# Altium PCB HV_Module_2W.PCBDOC (part 1 of 3) (continued)
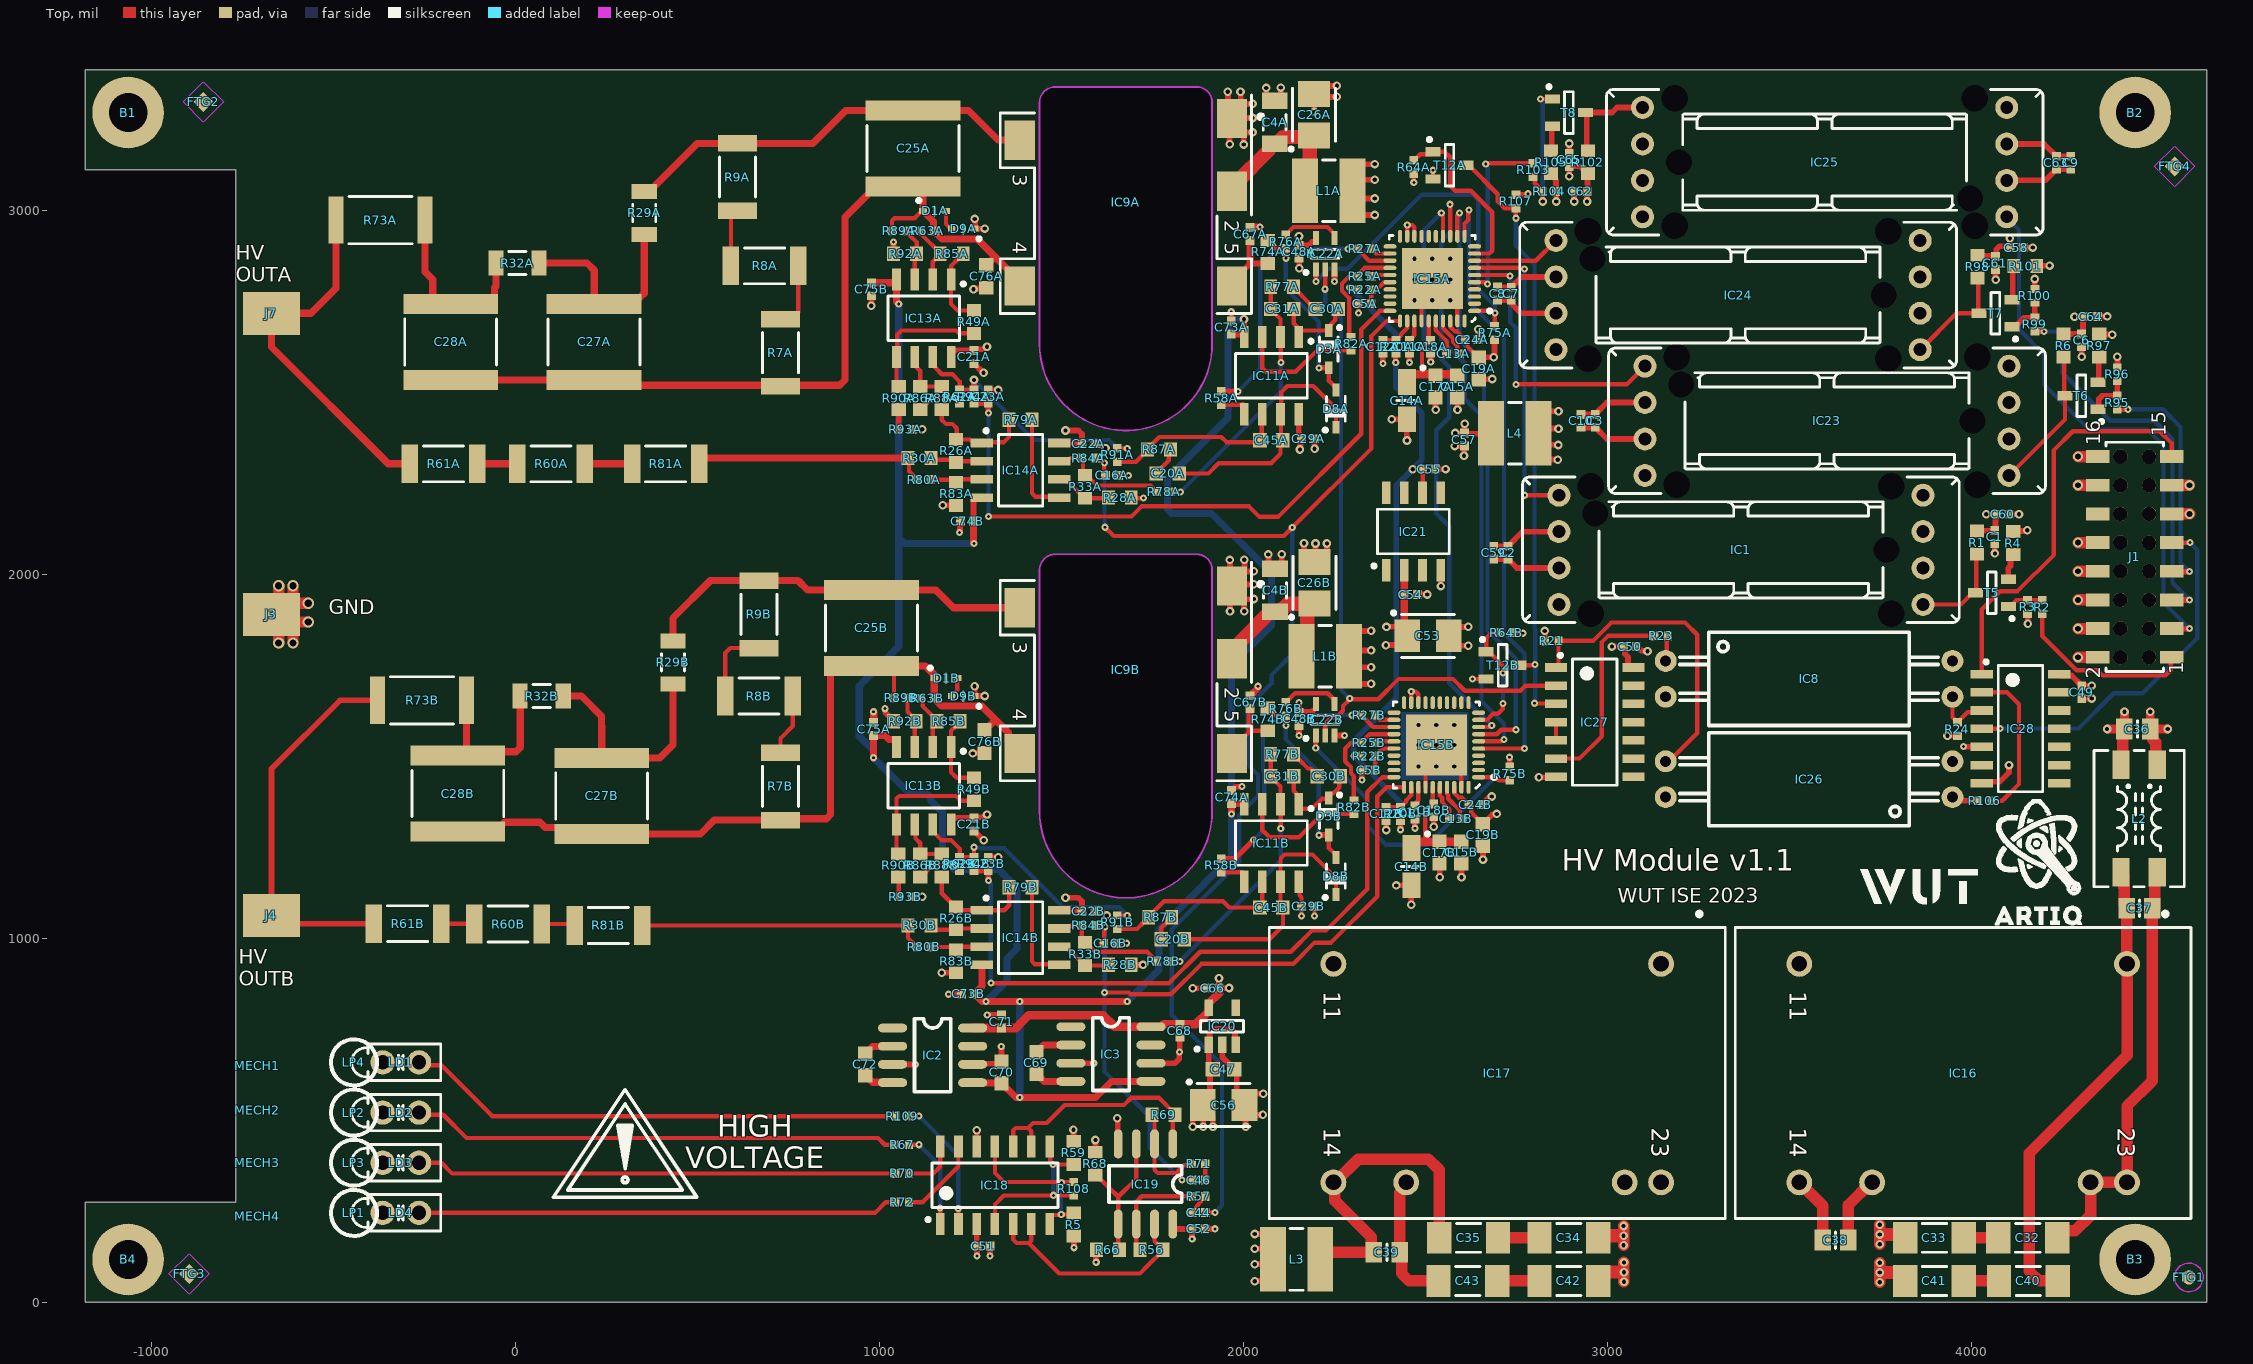
[diagram p0: Top view]
## Design rules (kind name [scope] priority, off if disabled: settings) (continued)
RoomDefinition U_ADC_DAC2 [InComponentClass('U_ADC_DAC2')] p6: confinementstyle=ConfineIn formatcopy=TRUE lockcomponents=FALSE outline 2696.85,1702.76 2303.15,1702.76 2303.15,1192.52 2696.85,1192.52
RoomDefinition U_Supply_5V_ISOL [InComponentClass('U_Supply_5V_ISOL')] p7: confinementstyle=ConfineIn formatcopy=TRUE lockcomponents=FALSE outline 1899.61,-39.37 4635.83,-39.37 4635.83,1190.94 1899.61,1190.94
RoomDefinition U_Isolators [InComponentClass('U_Isolators')] p8: confinementstyle=ConfineIn formatcopy=TRUE lockcomponents=FALSE outline 2677.17,1200.79 4281.5,1200.79 4281.5,3366.14 2677.17,3366.14
RoutingVias [All] p1: holewidth=7.87 width=19.68 viastyle="Through Hole" minholewidth=7.87 minwidth=19.68 maxholewidth=28 maxwidth=50
SilkToSilkClearance [All] p1: silktosilkclearance=0
SilkToSolderMaskClearance SilkscreenOverComponentPads [IsPad] p1: minsilkscreentomaskgap=0 clearancetoexposedcopper=TRUE
SolderMaskExpansion [All] p1: expansion=2 istentingtop=FALSE
Width Z50R [InNetClass('SPI')] p1: maxlimit=11.81 minlimit=11.81 preferedwidth=11.81
Width [All] p2: maxlimit=50 minlimit=5 preferedwidth=5
18 further rules are at their usual default settings.

## Classes and differential pairs
net class HV: HV_OUTA HV_OUTB NetC25A_2 NetC25B_2 NetC27A_2 NetC27B_2 NetC28A_2 NetC28B_2 NetR60A_2 NetR60B_2
component class U_LED_indicators: C44 C46 C51 C52 IC18 IC19 LD1 LD2 LD3 LD4 LP1 LP2 LP3 LP4 R5 R56 R57 R59 R66 R67 R68 R69 R70 R71 R72 R108 R109
channel class HV_PWR_STAGE: U_HV_PWR_STAGE1 U_HV_PWR_STAGE2
channel class ADC_DAC: U_ADC_DAC1 U_ADC_DAC2
component class U_HV_PWR_STAGE1: C4A C16A C20A C21A C22A C23A C25A C26A C27A C28A C29A C30A C31A C45A C48A C67A C73A C74A C75A C76A D1A D3A D8A D9A IC9A IC11A IC13A IC14A IC22A L1A R7A R8A R9A R26A R28A R29A R30A R32A R33A R49A R58A R60A R61A R62A R63A R73A R74A R75A R76A R77A R78A R79A R80A R81A R82A R83A R84A R85A R86A R87A R88A R89A R90A R91A R92A R93A R94A
component class U_ADC_DAC2: C5B C11B C12B C13B C14B C15B C17B C18B C19B C24B IC15B R20B R22B R25B R27B R64B T12B
component class U_ADC_DAC1: C5A C11A C12A C13A C14A C15A C17A C18A C19A C24A IC15A R20A R22A R25A R27A R64A T12A
component class U_Supply_5V_ISOL: C32 C33 C34 C35 C36 C37 C38 C39 C40 C41 C42 C43 C47 C56 C57 C66 C68 C69 C70 C71 C72 IC2 IC3 IC16 IC17 IC20 L2 L3 L4
component class U_Isolators: C1 C2 C3 C6 C7 C8 C9 C10 C49 C50 C58 C59 C60 C61 C62 C63 C64 C65 IC1 IC8 IC23 IC24 IC25 IC26 IC27 IC28 R1 R2 R3 R4 R6 R21 R23 R24 R95 R96 R97 R98 R99 R100 R101 R102 R103 R104 R105 R106 R107 T5 T6 T7 T8
component class U_HV_PWR_STAGE2: C4B C16B C20B C21B C22B C23B C25B C26B C27B C28B C29B C30B C31B C45B C48B C67B C73B C74B C75B C76B D1B D3B D8B D9B IC9B IC11B IC13B IC14B IC22B L1B R7B R8B R9B R26B R28B R29B R30B R32B R33B R49B R58B R60B R61B R62B R63B R73B R74B R75B R76B R77B R78B R79B R80B R81B R82B R83B R84B R85B R86B R87B R88B R89B R90B R91B R92B R93B R94B
component class HV_Module_2W: B1 B2 B3 B4 C53 C54 C55 FTG1 FTG2 FTG3 FTG4 IC21 J1 J3 J4 J7 MECH1 MECH2 MECH3 MECH4

## Components (designator, comment, footprint, x,y, rotation, side; value= is the part's Value field where it differs from the comment)
B1 "Plated Hole" MTG270_500 -1062.99,3267.72 r0 top
B2 "Plated Hole" MTG270_500 4448.82,3267.72 r0 top
B3 "Plated Hole" MTG270_500 4448.82,118.11 r0 top
B4 "Plated Hole" MTG270_500 -1062.99,118.11 r0 top
C1 "1uF" CAPC1005X55N 4062.99,2102.36 r90 top
C2 "1uF" CAPC1005X55N 2726.38,2059.06 r90 top
C3 "1uF" CAPC1005X55N 2966.14,2421.26 r90 top
C4A "22uF" CAPC3216X180N 2085.63,3241.17 r270 top (schematic designator C4)
C4B "22uF" CAPC3216X180N 2086.61,1955.74 r270 top (schematic designator C4)
C5A "1uF" CAPC1005X55N 2332.68,2742.75 r0 top (schematic designator C5)
C5B "1uF" CAPC1005X55N 2343.7,1462.2 r0 top (schematic designator C5)
C6 "1uF" CAPC1005X55N 4301.37,2642.29 r90 top
C7 "1uF" CAPC1005X55N 2735.24,2770.31 r90 top
C8 "100nF" CAPC1005X55N 2698.07,2770.67 r270 top
C9 "100nF" CAPC1005X55N 4271.65,3129.92 r90 top
C10 "100nF" CAPC1005X55N 2927.2,2421.26 r270 top
C11A "10nF" CAPC1005X55N 2455.51,2624.64 r90 top (schematic designator C11)
C11B "10nF" CAPC1005X55N 2470.47,1345.67 r90 top (schematic designator C11)
C12A "1uF" CAPC1005X55N 2382.68,2624.64 r90 top (schematic designator C12)
C12B "1uF" CAPC1005X55N 2391.73,1341.73 r90 top (schematic designator C12)
C13A "1uF" CAPC1005X55N 2575.59,2604.96 r0 top (schematic designator C13)
C13B "1uF" CAPC1005X55N 2583.32,1328.34 r0 top (schematic designator C13)
C14A "10uF" CAPMP3216X180N 2448.62,2476.93 r270 top (schematic designator C14)
C14B "10uF" CAPMP3216X180N 2460.84,1197.19 r270 top (schematic designator C14)
C15A "10uF" CAPC1608X80N 2587.4,2515.39 r90 top (schematic designator C15)
C15B "10uF" CAPC1608X80N 2598.43,1235.83 r90 top (schematic designator C15)
C16A "10nF" CAPC1005X55N 1638.72,2271.3 r180 top (schematic designator C16)
C16B "10nF" CAPC1005X55N 1633.86,986.22 r180 top (schematic designator C16)
C17A "10uF" CAPC1608X80N 2527.36,2515.39 r90 top (schematic designator C17)
C17B "10uF" CAPC1608X80N 2538.08,1235.52 r90 top (schematic designator C17)
C18A "100nF" CAPC1005X55N 2513.58,2624.64 r90 top (schematic designator C18)
C18B "100nF" CAPC1005X55N 2522.39,1351.57 r90 top (schematic designator C18)
C19A "10uF" CAPC1608X80N 2646.46,2564.58 r90 top (schematic designator C19)
C19B "10uF" CAPC1608X80N 2657.48,1284.03 r90 top (schematic designator C19)
C20A "220nF" CAPC1608X87N 1791.7,2276.57 r180 top (schematic designator C20)
C20B "220nF" CAPC1608X87N 1805.83,997.43 r180 top (schematic designator C20)
C21A "100nF" CAPC1005X55N 1259.84,2596.49 r90 top (schematic designator C21)
C21B "100nF" CAPC1005X55N 1259.84,1313.03 r90 top (schematic designator C21)
C22A "100nF" CAPC1005X55N 1574.22,2358.27 r180 top (schematic designator C22)
C22B "100nF" CAPC1005X55N 1574.22,1074.8 r180 top (schematic designator C22)
C23A "10nF" CAPC1005X55N 1299.21,2487.76 r270 top (schematic designator C23)
C23B "10nF" CAPC1005X55N 1299.21,1204.3 r270 top (schematic designator C23)
C24A "100nF" CAPC1005X55N 2626.77,2644.33 r180 top (schematic designator C24)
C24B "100nF" CAPC1005X55N 2636.8,1367.42 r180 top (schematic designator C24)
C25A "33nF" CAPC5764X279N 1092.52,3169.29 r90 top locked (schematic designator C25)
C25B "33nF" CAPC5764X279N 978.35,1852.36 r90 top locked (schematic designator C25)
C26A "22uF" CAPMP3528X210N 2193.9,3261.81 r90 top locked (schematic designator C26)
C26B "22uF" CAPMP3528X210N 2194.88,1976.38 r90 top (schematic designator C26)
C27A "33nF" CAPC5764X279N 216.54,2637.8 r90 top (schematic designator C27)
C27B "33nF" CAPC5764X279N 237.3,1390.99 r90 top (schematic designator C27)
C28A "33nF" CAPC5764X279N -177.17,2637.8 r90 top (schematic designator C28)
C28B "33nF" CAPC5764X279N -157.48,1397.64 r90 top (schematic designator C28)
C29A "100nF" CAPC1005X55N 2177.17,2372.05 r180 top (schematic designator C29)
C29B "100nF" CAPC1005X55N 2177.17,1087.6 r180 top (schematic designator C29)
C30A "220nF" CAPC1608X87N 2229.1,2728.35 r180 top (schematic designator C30)
C30B "220nF" CAPC1608X87N 2234.25,1444.88 r180 top (schematic designator C30)
C31A "10nF" CAPC1608X87N 2106.3,2728.35 r180 top (schematic designator C31)
C31B "10nF" CAPC1608X87N 2106.3,1444.88 r180 top (schematic designator C31)
C32 "330pF" CAPC4620X220N 4153.54,177.17 r180 top locked
C33 "330pF" CAPC4620X220N 3897.64,177.17 r180 top locked
C34 "330pF" CAPC4620X220N 2893.7,177.17 r180 top locked
C35 "330pF" CAPC4620X220N 2618.11,177.17 r180 top locked
C36 "4.7uF" CAPC2012X145N 4454.72,1574.8 r0 top
C37 "4.7uF" CAPC2012X145N 4460.63,1082.68 r0 top
C38 "4.7uF" CAPC2012X145N 3625.98,171.26 r180 top
C39 "4.7uF" CAPC2012X145N 2393.7,137.8 r180 top
C40 "330pF" CAPC4620X220N 4155.51,59.05 r180 top locked
C41 "330pF" CAPC4620X220N 3897.64,59.05 r180 top locked
C42 "330pF" CAPC4620X220N 2893.7,59.06 r180 top locked
C43 "330pF" CAPC4620X220N 2616.14,59.06 r180 top locked
C44 "1uF" CAPC1005X55N 1876.5,246.75 r0 top
C45A "10nF" CAPC1608X87N 2076.77,2368.11 r180 top (schematic designator C45)
C45B "10nF" CAPC1608X87N 2076.77,1084.65 r180 top (schematic designator C45)
C46 "1uF" CAPC1005X55N 1876.5,336.32 r180 top
C47 "10uF" CAPC1608X80N 1944.88,640.75 r180 top
C48A "100nF" CAPC1005X55N 2152.78,2885.53 r90 top (schematic designator C48)
C48B "100nF" CAPC1005X55N 2152.56,1602.36 r90 top (schematic designator C48)
C49 "1uF" CAPC1005X55N 4301.97,1675.79 r270 top
C50 "1uF" CAPC1005X55N 3061.02,1801.18 r0 top
C51 "1uF" CAPC1005X55N 1285.95,154.72 r180 top
C52 "1uF" CAPC1005X55N 1876.5,201.97 r180 top
C53 "22uF" CAPMP3528X210N 2506.69,1830.71 r0 top
C54 "100nF" CAPC1005X55N 2459.34,1943.96 r180 top
C55 "100nF" CAPC1005X55N 2509.92,2288.45 r180 top
C56 "22uF" CAPMP3528X210N 1945.4,542.32 r0 top
C57 "1uF" CAPC1005X55N 2606.91,2369.53 r90 top
C58 "100nF" CAPC1005X55N 4122.59,2896.7 r180 top
C59 "100nF" CAPC1005X55N 2687.18,2059.06 r270 top
C60 "100nF" CAPC1005X55N 4084.65,2164.66 r180 top
C61 "1uF" CAPC1005X55N 4064.96,2854.33 r90 top
C62 "1uF" CAPC1005X55N 2925.2,3051.18 r0 top
C63 "1uF" CAPC1005X55N 4232.28,3129.92 r270 top
C64 "100nF" CAPC1005X55N 4327.02,2707.64 r180 top
C65 "100nF" CAPC1005X55N 2894.68,3137.8 r270 top
C66 "1uF" CAPC1005X55N 1915.35,863.26 r0 top
C67A "100nF" CAPC1005X55N 2018.31,2934.05 r270 top (schematic designator C67)
C67B "100nF" CAPC1005X55N 2018.31,1648.43 r270 top (schematic designator C67)
C68 "1uF" CAPC1005X55N 1825.17,746.49 r270 top
C69 "10uF" CAPC1608X80N 1431.47,657.91 r90 top
C70 "10uF" CAPC1608X80N 1335.63,631.79 r270 top
C71 "1uF" CAPC1005X55N 1335.63,771.54 r90 top
C72 "10uF" CAPC1608X80N 961.61,653.82 r90 top
C73A "100nF" CAPC1005X55N 1966.29,2677.71 r270 top (schematic designator C73)
C73B "100nF" CAPC1005X55N 1243.8,847.6 r0 top (schematic designator C73)
C74A "100nF" CAPC1005X55N 1967.38,1387.98 r270 top (schematic designator C74)
C74B "100nF" CAPC1005X55N 1240.9,2145.67 r0 top (schematic designator C74)
C75A "100nF" CAPC1005X55N 984.25,1574.8 r270 top (schematic designator C75)
C75B "100nF" CAPC1005X55N 978.35,2782.48 r90 top (schematic designator C75)
C76A "1uF" CAPC1608X87N 1293.31,2817.75 r90 top (schematic designator C76)
C76B "1uF" CAPC1608X87N 1288.82,1540.55 r90 top (schematic designator C76)
D1A "VESD01C1-02VHG3" SODFL1608X70N 1151.57,2998.03 r0 top (schematic designator D1)
D1B "VESD01C1-02VHG3" SODFL1608X70N 1183.07,1714.57 r0 top (schematic designator D1)
D3A "BAT165" SOD2512X110N 2234.25,2618.17 r270 top (schematic designator D3)
D3B "BAT165" SOD2512X110N 2234.25,1334.71 r270 top (schematic designator D3)
D8A "BAT165" SOD2512X110N 2253.94,2454.62 r90 top (schematic designator D8)
D8B "BAT165" SOD2512X110N 2253.94,1171.15 r90 top (schematic designator D8)
D9A "VESD01C1-02VHG3" SODFL1608X70N 1230.31,2948.82 r180 top (schematic designator D9)
D9B "VESD01C1-02VHG3" SODFL1608X70N 1230.32,1665.35 r180 top (schematic designator D9)
FTG1 "Use only in PCB" FIDUCIAL_TOP_C100-200 4596.46,68.9 r180 top
FTG2 "Use only in PCB" FIDUCIAL_TOP_S100-200 -856.3,3297.24 r180 top
FTG3 "Use only in PCB" FIDUCIAL_TOP_S100-200 -895.67,78.74 r180 top
FTG4 "Use only in PCB" FIDUCIAL_TOP_S100-200 4557.09,3120.08 r180 top
IC1 "AFBR-390525RZ" BROADCOM_AFBR-390525RZ 3366.14,2066.93 r180 top locked
IC2 "TC7660SEOA" SO-8 1036.4,753.82 r0 top
IC3 "TC7660SEOA" SO-8 1525.94,757.12 r0 top
IC8 "OPI1264C" OPI1264C 3553.15,1712.6 r180 top locked
IC9A "AG20P-5" DCDC_XPPOWER_AG0-2KV 1677.07,2866.34 r270 top locked (schematic designator IC9)
IC9B "AG20P-5" DCDC_XPPOWER_AG0-2KV 1677.07,1582.87 r270 top locked (schematic designator IC9)
IC11A "ADA4510-2ARZ" SOIC127P600X175-8N 2076.77,2545.28 r270 top (schematic designator IC11)
IC11B "ADA4510-2ARZ" SOIC127P600X175-8N 2076.77,1261.81 r270 top (schematic designator IC11)
IC13A "ADA4510-2ARZ" SOIC127P600X175-8N 1122.05,2702.76 r270 top (schematic designator IC13)
IC13B "ADA4510-2ARZ" SOIC127P600X175-8N 1122.05,1419.29 r270 top (schematic designator IC13)
IC14A "ADA4510-2ARZ" SOIC127P600X175-8N 1387.8,2285.43 r0 top (schematic designator IC14)
IC14B "ADA4510-2ARZ" SOIC127P600X175-8N 1387.8,1001.97 r0 top (schematic designator IC14)
IC15A "MAX1329BETL+" QFN50P600X600X80-41N-S425 2518.5,2811.65 r180 top (schematic designator IC15)
IC15B "MAX1329BETL+" QFN50P600X600X80-41N-S425 2529.53,1531.1 r180 top (schematic designator IC15)
IC16 "REM5E-1205S/R10/A" DCDC_RECOM_REM5E-XXXXS 3976.38,629.92 r180 top locked
IC17 "REM5E-0505S/R10/A" DCDC_RECOM_REM5E-XXXXS 2696.85,629.92 r180 top locked
IC18 "LP339M/NOPB" SOIC127P600X175-14N 1317.45,322.05 r90 top
IC19 "LMV358IDT" SO-8 1805.83,435.35 r270 top
IC20 "NCP703SN33T1G" SOT95P275X110-5N 1941.48,758.86 r90 top
IC21 "ADR431ARZ" SOIC127P600X175-8N 2466.63,2117.17 r90 top
IC22A "74HCT1G125GW" SOT65P210X110-5N 2224.41,2879.92 r90 top (schematic designator IC22)
IC22B "74HCT1G125GW" SOT65P210X110-5N 2224.41,1600.39 r90 top (schematic designator IC22)
IC23 "AFBR-390525RZ" BROADCOM_AFBR-390525RZ 3602.36,2421.26 r180 top locked
IC24 "AFBR-390525RZ" BROADCOM_AFBR-390525RZ 3358.27,2766.54 r180 top locked
IC25 "AFBR-390525RZ" BROADCOM_AFBR-390525RZ 3596.06,3131.5 r0 top locked
IC26 "OPI1264C" OPI1264C 3553.15,1437.01 r0 top locked
IC27 "SN74LVC14AD" SOIC127P600X175-14N 2964.57,1593.7 r0 top
IC28 "SN74LVC14AD" SOIC127P600X175-14N 4133.86,1575.79 r0 top
J1 "2.00 mm_SMT_Vertical_16 pin" 62131621821 4447.41,2047.41 r90 top locked
J3 "SMD Pad" R400X300 -669.29,1889.76 r0 top
J4 "SMD Pad" R400X300 -669.29,1062.99 r0 top
J7 "SMD Pad" R400X300 -669.29,2716.54 r0 top
L1A "10uH" IND_BOURNS_PM43 2234.25,3053.15 r180 top locked (schematic designator L1)
L1B "10uH" IND_BOURNS_PM43 2224.41,1774.61 r180 top (schematic designator L1)
L2 "2x250uH" IND_WURTH_WE-SL2 4459.45,1328.74 r270 top locked
L3 "10uH" IND_BOURNS_PM43 2145.67,118.11 r180 top locked
L4 "10uH" IND_BOURNS_PM43 2745.02,2386.82 r180 top
LD1 "Green" LED_DIALIGHT_555-230 -364.17,659.45 r0 top locked
LD2 "Red" LED_DIALIGHT_555-200 -364.17,521.65 r0 top locked
LD3 "Green" LED_DIALIGHT_555-230 -364.17,383.86 r0 top locked
LD4 "Red" LED_DIALIGHT_555-200 -364.17,246.06 r0 top locked
LP1 "" LEDLP_BIVAR_PLP2-1200 -442.91,246.06 r90 top locked
LP2 "" LEDLP_BIVAR_PLP2-1200 -442.91,521.65 r90 top locked
LP3 "" LEDLP_BIVAR_PLP2-1200 -442.91,383.86 r90 top locked
LP4 "" LEDLP_BIVAR_PLP2-1200 -442.91,659.45 r90 top locked
MECH1 "PLP2-1200" GENERIC_MECH -708.66,649.61 r90 top
MECH2 "PLP2-1200" GENERIC_MECH -708.66,528.54 r90 top
MECH3 "PLP2-1200" GENERIC_MECH -708.66,383.86 r90 top
MECH4 "PLP2-1200" GENERIC_MECH -708.66,236.22 r90 top
R1 "390" RESC1608X55N 4014.57,2086.78 r90 top
R2 "47" RESC1005X40N 4193.39,1909.9 r270 top
R3 "1k" RESC1005X40N 4153.54,1910.24 r90 top
R4 "150" RESC1608X55N 4114.17,2085.43 r270 top
R5 "100k" RESC1608X55N 1533.98,213.78 r270 top
R6 "390" RESC1608X55N 4251.97,2627.95 r90 top
R7A "2M" RESC5025X65N 728.35,2608.27 r90 top (schematic designator R7)
R7B "2M" RESC5025X65N 728.35,1417.32 r90 top (schematic designator R7)
R8A "2M" RESC5025X65N 685.12,2846.76 r180 top (schematic designator R8)
R8B "2M" RESC5025X65N 669.29,1665.35 r180 top (schematic designator R8)
R9A "2M" RESC5025X65N 610.24,3090.55 r90 top (schematic designator R9)
R9B "2M" RESC5025X65N 669.29,1889.76 r90 top (schematic designator R9)
R20A "0" RESC1005X40N 2419.09,2624.64 r270 top (schematic designator R20)
R20B "0" RESC1005X40N 2431.1,1341.73 r270 top (schematic designator R20)
R21 "330" RESC1005X40N 2846.46,1816.93 r0 top
R22A "0" RESC1005X40N 2332.68,2781.14 r180 top (schematic designator R22)
R22B "0" RESC1005X40N 2343.7,1500.59 r180 top (schematic designator R22)
R23 "330" RESC1005X40N 3146.85,1830.71 r180 top
R24 "330" RESC1005X40N 3960.63,1574.8 r90 top
R25A "0" RESC1005X40N 2332.68,2817.56 r180 top (schematic designator R25)
R25B "0" RESC1005X40N 2343.7,1537.01 r180 top (schematic designator R25)
R26A "10k" RESC1608X55N 1210.63,2338.58 r270 top (schematic designator R26)
R26B "10k" RESC1608X55N 1210.63,1055.12 r270 top (schematic designator R26)
R27A "0" RESC1005X40N 2332.68,2893.7 r180 top (schematic designator R27)
R27B "0" RESC1005X40N 2343.7,1613.15 r180 top (schematic designator R27)
R28A "7k5" RESC1608X55N 1660.3,2210.63 r0 top (schematic designator R28)
R28B "7k5" RESC1608X55N 1660.3,927.17 r0 top (schematic designator R28)
R29A "100k" RESC3216X50N 354.33,2992.13 r270 top (schematic designator R29)
R29B "100k" RESC3216X50N 433.07,1757.87 r270 top (schematic designator R29)
R30A "10k" RESC1608X55N 1110.24,2318.9 r180 top (schematic designator R30)
R30B "10k" RESC1608X55N 1110.24,1035.43 r180 top (schematic designator R30)
R32A "100k" RESC3216X50N 5.91,2854.33 r180 top (schematic designator R32)
R32B "100k" RESC3216X50N 72.83,1665.35 r180 top (schematic designator R32)
R33A "30k" RESC1608X55N 1564.96,2240.16 r270 top (schematic designator R33)
R33B "30k" RESC1608X55N 1564.96,956.69 r270 top (schematic designator R33)
R49A "10k" RESC1608X55N 1259.84,2692.91 r90 top (schematic designator R49)
R49B "10k" RESC1608X55N 1259.84,1409.45 r90 top (schematic designator R49)
R56 "100k" RESC1608X55N 1747.56,144.88 r180 top
R57 "1k" RESC1005X40N 1876.5,291.54 r0 top
R58A "1k" RESC1005X40N 1938.98,2483.82 r90 top (schematic designator R58)
R58B "1k" RESC1005X40N 1938.98,1200.36 r90 top (schematic designator R58)
R59 "100k" RESC1608X55N 1533.98,410.63 r270 top
R60A "10M" RESC5025X65N 98.43,2303.15 r180 top (schematic designator R60)
R60B "10M" RESC5025X65N -19.69,1039.37 r180 top (schematic designator R60)
R61A "10M" RESC5025X65N -196.85,2303.15 r180 top (schematic designator R61)
R61B "10M" RESC5025X65N -295.28,1040.35 r180 top (schematic designator R61)
R62A "10k" RESC1005X40N 1220.47,2487.76 r270 top (schematic designator R62)
R62B "10k" RESC1005X40N 1220.47,1204.3 r270 top (schematic designator R62)
R63A "1k" RESC1005X40N 1131.89,2942.91 r0 top (schematic designator R63)
R63B "1k" RESC1005X40N 1131.89,1659.45 r0 top (schematic designator R63)
R64A "10k" RESC1005X40N 2467.72,3118.05 r90 top (schematic designator R64)
R64B "10k" RESC1005X40N 2721.16,1839.57 r180 top (schematic designator R64)
R66 "100k" RESC1608X55N 1627.49,144.88 r180 top
R67 "1k" RESC1005X40N 1062.99,433.07 r0 top
R68 "100k" RESC1608X55N 1593.04,381.1 r270 top
R69 "100k" RESC1608X55N 1780.73,515.74 r180 top
R70 "1k" RESC1005X40N 1062.99,354.33 r0 top
R71 "1k" RESC1005X40N 1876.5,381.1 r0 top
R72 "1k" RESC1005X40N 1062.99,275.59 r0 top
R73A "100" RESC6331X70N -370.08,2972.44 r180 top (schematic designator R73)
R73B "100" RESC6331X70N -255.91,1653.54 r180 top (schematic designator R73)
R74A "1k" RESC1608X55N 2066.93,2885.04 r270 top (schematic designator R74)
R74B "1k" RESC1608X55N 2066.93,1601.57 r270 top (schematic designator R74)
R75A "10k" RESC1005X40N 2689.61,2662.65 r270 top (schematic designator R75)
R75B "10k" RESC1005X40N 2731.16,1452.48 r90 top (schematic designator R75)
R76A "1k" RESC1005X40N 2116.14,2913.39 r270 top (schematic designator R76)
R76B "1k" RESC1005X40N 2116.14,1629.92 r270 top (schematic designator R76)
R77A "100k" RESC1608X55N 2106.3,2788.94 r180 top (schematic designator R77)
R77B "100k" RESC1608X55N 2106.3,1505.48 r180 top (schematic designator R77)
R78A "1k" RESC1005X40N 1780.56,2226.27 r180 top (schematic designator R78)
R78B "1k" RESC1005X40N 1779.72,936.56 r180 top (schematic designator R78)
R79A "6k2" RESC1608X55N 1387.8,2423.88 r180 top (schematic designator R79)
R79B "6k2" RESC1608X55N 1387.8,1140.42 r180 top (schematic designator R79)
R80A "0" RESC1005X40N 1122.05,2259.84 r180 top (schematic designator R80)
R80B "0" RESC1005X40N 1122.05,976.38 r180 top (schematic designator R80)
R81A "10M" RESC5025X65N 413.39,2303.15 r180 top (schematic designator R81)
R81B "10M" RESC5025X65N 255.91,1035.43 r180 top (schematic designator R81)
R82A "1k" RESC1005X40N 2295.51,2633.01 r90 top (schematic designator R82)
R82B "1k" RESC1005X40N 2303.15,1359.84 r90 top (schematic designator R82)
R83A "10k" RESC1608X55N 1210.63,2220.47 r90 top (schematic designator R83)
R83B "10k" RESC1608X55N 1210.63,937.01 r90 top (schematic designator R83)
R84A "1k" RESC1005X40N 1574.22,2318.9 r180 top (schematic designator R84)
R84B "1k" RESC1005X40N 1574.22,1035.43 r180 top (schematic designator R84)
R85A "10k" RESC1608X55N 1198.82,2879.92 r180 top (schematic designator R85)
R85B "10k" RESC1608X55N 1189.96,1596.46 r180 top (schematic designator R85)
R86A "240k" RESC1608X55N 1112.2,2483.82 r90 top (schematic designator R86)
R86B "240k" RESC1608X55N 1112.2,1200.36 r90 top (schematic designator R86)
R87A "100k" RESC1608X55N 1767.74,2342.52 r180 top (schematic designator R87)
R87B "100k" RESC1608X55N 1771.38,1057.82 r180 top (schematic designator R87)
R88A "10k" RESC1608X55N 1171.26,2483.82 r270 top (schematic designator R88)
R88B "10k" RESC1608X55N 1171.26,1200.36 r270 top (schematic designator R88)
R89A "1k" RESC1005X40N 1053.15,2942.91 r180 top (schematic designator R89)
R89B "1k" RESC1005X40N 1058.98,1660.35 r180 top (schematic designator R89)
R90A "240k" RESC1608X55N 1053.15,2483.82 r90 top (schematic designator R90)
R90B "240k" RESC1608X55N 1052.17,1200.36 r90 top (schematic designator R90)
R91A "1k" RESC1005X40N 1653.41,2327.56 r90 top (schematic designator R91)
R91B "1k" RESC1005X40N 1653.41,1044.09 r90 top (schematic designator R91)
R92A "10k" RESC1608X55N 1070.87,2879.92 r0 top (schematic designator R92)
R92B "10k" RESC1608X55N 1069.88,1596.46 r0 top (schematic designator R92)
R93A "10k" RESC1005X40N 1071.65,2397.65 r180 top (schematic designator R93)
R93B "10k" RESC1005X40N 1071.65,1114.19 r180 top (schematic designator R93)
R94A "1k" RESC1005X40N 1259.84,2487.76 r90 top (schematic designator R94)
R94B "1k" RESC1005X40N 1259.84,1204.3 r90 top (schematic designator R94)
R95 "47" RESC1005X40N 4399.61,2471.26 r270 top
R96 "1k" RESC1005X40N 4399.61,2549.21 r270 top
R97 "150" RESC1608X55N 4350.39,2627.95 r270 top
R98 "390" RESC1608X55N 4015.75,2844.49 r90 top
R99 "47" RESC1005X40N 4173.23,2685.83 r270 top
R100 "1k" RESC1005X40N 4173.23,2764.57 r270 top
R101 "150" RESC1608X55N 4146.83,2846.36 r180 top
R102 "390" RESC1608X55N 2946.06,3131.5 r270 top
R103 "47" RESC1005X40N 2795.28,3110.24 r90 top
R104 "1k" RESC1005X40N 2839.76,3051.18 r180 top
R105 "150" RESC1608X55N 2844.49,3131.5 r90 top
R106 "330" RESC1005X40N 4035.43,1377.95 r0 top
R107 "10k" RESC1005X40N 2748.03,3023.87 r90 top
R108 "10k" RESC1005X40N 1533.98,312.2 r90 top
R109 "1k" RESC1005X40N 1062.99,511.81 r0 top
T5 "2N7002" SOT95P240X130-3N 4055.12,1948.82 r180 top
T6 "2N7002" SOT95P240X130-3N 4301.18,2490.16 r180 top
T7 "2N7002" SOT95P240X130-3N 4064.96,2716.54 r180 top
T8 "2N7002" SOT95P240X130-3N 2893.7,3267.72 r0 top
T12A "BSS138LT1G" SOT95P240X110-3N 2565.75,3122.83 r0 top (schematic designator T12)
T12B "BSS138LT1G" SOT95P240X110-3N 2711.54,1749.61 r0 top (schematic designator T12)

## Footprints (in the part's own frame and the unit in brackets; to place one, negate y for a bottom-side part, rotate by r counter-clockwise, add the part's x,y. Pads: shape width x height; smd on the part's side, far side on the other; paste and mask are expansions set on the pad)
62131621821 [mm] "Socket Header, Pitch 2.00 mm, SMT, Vertical, dual row, 16p"
  rect 0.89x1.65 smd: 1(-7,-2.575) 2(-7,2.575) 3(-5,-2.575) 4(-5,2.575) 5(-3,-2.575) 6(-3,2.575) 7(-1,-2.575) 8(-1,2.575) 9(1,-2.575) 10(1,2.575) 11(3,-2.575) 12(3,2.575) 13(5,-2.575) 14(5,2.575) 15(7,-2.575) 16(7,2.575)
  round 1 hole 1 unplated: M1(-7,-1) M2(-7,1) M3(-5,-1) M4(-5,1) M5(-3,-1) M6(-3,1) M7(-1,-1) M8(-1,1) M9(1,-1) M10(1,1) M11(3,-1) M12(3,1) M13(5,-1) M14(5,1) M15(7,-1) M16(7,1)
  silkscreen extent -8,-2 8,2, body extent -8,-3 8,3, height 2.95
BROADCOM_AFBR-390525RZ [mm] "BROADCOM AFBR-390525RZ Case, Body 30.46mm L X 10.16mm W X 6.7mm H"
  round 1.6 hole 0.9: 1(-12.7,3.81) 2(-12.7,1.27) 3(-12.7,-1.27) 4(-12.7,-3.81) 5(12.7,3.81) 6(12.7,1.27) 7(12.7,-1.27) 8(12.7,-3.81)
  round 1 hole 1.85 unplated mask+0.425: 9(-10.47,4.45) 11(-10.47,-4.45) 12(10.47,4.45) 14(10.47,-4.45)
  round 1 hole 1.8 unplated mask+0.4: 10(-10.16,0) 13(10.16,-2.54)
  silkscreen extent -15.23,-5.08 15.23,5.08, body extent -15.23,-5.08 15.23,5.08, height 6.7
CAPC1005X55N [mm] "Capacitor, Non-Polarized, Chip; 1.00mm L X 0.50mm W X 0.70mm H, IPC Medium Density"
  rect 0.62x0.62 smd: 1(-0.45,0) 2(0.45,0)
  body extent -0.52,-0.27 0.53,0.28, height 0.55
CAPC1608X80N [mm] "Chip Capacitor, Body 1.6x0.8mm IPC Medium Density"
  rect 1x1 smd: 1(-0.75,0) 2(0.75,0)
  body extent -0.87,-0.47 0.88,0.48, height 0.8
CAPC1608X87N [mm] "Chip Capacitor, Body 1.6x0.8mm IPC Medium Density"
  rect 0.95x1 smd: 1(-0.8,0) 2(0.8,0)
  body extent -0.87,-0.47 0.88,0.48, height 0.87
CAPC2012X145N [mm] "Chip Capacitor, Body 2.0x1.45mm, IPC Medium Density"
  rect 1.15x1.45 smd: 1(-0.9,0) 2(0.9,0)
  silkscreen extent 0,-0.58 0,0.58, body extent -1.05,-0.67 1.05,0.68, height 1.45
CAPC3216X180N [mm] "Chip Capacitor, Body 3.2x1.6mm, IPC Medium Density"
  rect 1.15x1.8 smd: 1(-1.5,0) 2(1.5,0)
  silkscreen extent -0.55,-0.8 0.55,0.8, body extent -1.7,-0.9 1.7,0.9, height 1.8
CAPC4620X220N [mm] "Capacitor, Non-Polarized, Chip; 4.6mm L X 2.2mm W X 2.2mm H, IPC Medium Density"
  rect 1.7x2.2 smd: 1(-2.05,0) 2(2.05,0)
  silkscreen extent -0.85,-1 0.85,1, body extent -2.3,-1.1 2.3,1.1, height 2.2
CAPC5764X279N [mm] "Capacitor, Non-Polarized, Chip; 5.72mm L X 6.35mm W X 2.794mm H, IPC Medium Density"
  rect 1.4x6.6 smd: 1(-2.65,0) 2(2.65,0)
  silkscreen extent -1.6,-3.2 1.6,3.2, body extent -2.98,-3.17 2.99,3.18, height 2.79
CAPMP3216X180N [mm] "Capacitor, Polarized, Molded  Body 3.2x1.6mm, IPC Medium Density"
  rect 1.8x1.25 smd: 1(-1.3,0) 2(1.3,0)
  silkscreen extent -2.4,-0.7 0,1.25, body extent -1.7,-0.9 1.7,0.9, height 1.6
CAPMP3528X210N [mm] "Capacitor, Polarized, Molded  Body 3.5x2.8mm, IPC Medium Density"
  rect 1.8x2.25 smd: 1(-1.45,0) 2(1.45,0)
  silkscreen extent -2.52,-1.5 1.85,1.72, body extent -1.85,-1.5 1.85,1.5, height 2.1
DCDC_RECOM_REM5E-XXXXS [mm] "REM5E-XXXXS Series, Body 31.8x20.3mm, DIP-24 Package"
  round 1.8 hole 1.1: 2(-11.43,-7.62) 11(11.43,-7.62) 14(11.43,7.62) 16(6.35,7.62) 22(-8.89,7.62) 23(-11.43,7.62)
  silkscreen extent -15.9,-11.25 15.9,10.15, body extent -15.9,-10.15 15.9,10.15, height 10.2
DCDC_XPPOWER_AG0-2KV [mm] "AG Series, DC/HVDC Converter, Body W 11.43mm x L 23.37mm x H 6.35mm"
  rect 2.74x2.11 smd: 1(-9.779,7.402) 2(-4.699,7.402) 3(-8.255,-7.402) 4(1.905,-7.402) 5(1.905,7.402)
  KeepOutLayer board cut-out: -11.987,4.925 -11.905,5.341 -11.669,5.694 -11.316,5.93 -10.9,6.013 -10.9,6.013 -10.903,6.01 5.962,6.01 5.966,6.013 8.575,5.417 10.668,3.748 11.83,1.336 11.83,-1.341 10.668,-3.753 8.575,-5.422 5.966,-6.017 5.966,-6.017 -10.9,-6.017 -10.897,-6.02 -11.313,-5.937 -11.666,-5.701 -11.901,-5.349 -11.984,-4.932 -11.984,-4.932 -11.987,-4.93
  KeepOutLayer lines w0.127: -10.897,-6.02 cw(c-10.897,-4.932) -11.984,-4.932 ; -10.9,-6.017 5.966,-6.017 ccw(c5.966,-0.002) 5.966,6.013 -10.9,6.013 ccw(c-10.9,4.925) -11.987,4.925 -11.987,-4.93
  silkscreen extent -11.43,-8.76 3.81,9.55, body extent -11.68,-8.76 11.68,8.76, height 3.3
FIDUCIAL_TOP_C100-200 [mm] "Round Fiducial Target, Top Layer, 1.0mm, Top Solder 2.0mm, Keepout =2.0mm"
  round 1 smd paste-0.51 mask+0.5: FTG2(0,0)
  Top keep-out circle w0.1: c0,0 r1
FIDUCIAL_TOP_S100-200 [mm] "Square Fiducial Target, Top Layer, 1.0mm, Top Solder 2.0mm, Keepout =2.0mm"
  rect 1x1 smd rot 45 paste-0.51 mask+0.5: 1(0,0)
  Top keep-out region: 1.414,0 0,-1.414 -1.414,0 0,1.414
GENERIC_MECH [mil]
IND_BOURNS_PM43 [mm] "SMD Inductor  Body Width 4.5mm Body Lenght 4mm Height 3.5mm"
  rect 1.8x4.5 smd: 1(-1.65,0) 2(1.65,0)
  silkscreen extent -0.45,-2.15 0.45,2.15, body extent -2.38,-2.15 2.38,2.15, height 3.5
IND_WURTH_WE-SL2 [mm] "Common Mode SMD Line Filter WE-SL2"
  rect 2x1.2 smd: 1(-3.75,1.27) 2(-3.75,-1.27) 3(3.75,-1.27) 4(3.75,1.27)
  silkscreen extent -4.75,-3.15 4.75,3.15, body extent -4.75,-3.15 4.75,3.15, height 5.3
LED_DIALIGHT_555-200 [mm] "Single 2mm Red LED, Body 5.08x2.54mm, Pin spacing 2.54mm"
  round 1.7 hole 1: 1(2.54,0) 2(0,0)
  silkscreen extent -2.16,-1.27 4.06,1.27, body extent -2.16,-1.27 4.06,1.27, height 6.35
LED_DIALIGHT_555-230 [mm] "Single 2mm Green LED, Body 5.08x2.54mm, Pin spacing 2.54mm"
  round 1.7 hole 1: 1(2.54,0) 2(0,0)
  silkscreen extent -2.16,-1.27 4.06,1.27, body extent -2.16,-1.27 4.06,1.27, height 6.35
LEDLP_BIVAR_PLP2-1200 [mil] "3mm Dome Leens, Single Station Vertivcal Round Lightpipe Height 1.2 in. (30.5mm)"
  silkscreen extent -65,-65 65,65, body extent -65,0 65,1230, height 193
MTG270_500 [mm] "Plated Through Hole: Hole Dia.=2.7mm Pad Dia.=5.0mm"
  round 5 hole 2.7: 1(0,0)
OPI1264C [mil]
  round 60 hole 30: 1(393.7,-49.21) 2(393.7,49.21) 3(-393.7,49.21) 4(-393.7,-49.21)
  silkscreen extent -354,-128 354,128, body extent -403,-129 404,130, height 230
QFN50P600X600X80-41N-S425 [mm] "QFN, 0.50mm Pitch, Square; 40 Pin, 6.00mm L X 6.00mm W X 0.80mm H body (w/Thermal Tab 4.25 x 4.25mm), IPC Medium Density"
  oval 0.9x0.3 smd: 1(-2.95,2.25) 2(-2.95,1.75) 3(-2.95,1.25) 4(-2.95,0.75) 5(-2.95,0.25) 6(-2.95,-0.25) 7(-2.95,-0.75) 8(-2.95,-1.25) 9(-2.95,-1.75) 10(-2.95,-2.25) 21(2.95,-2.25) 22(2.95,-1.75) 23(2.95,-1.25) 24(2.95,-0.75) 25(2.95,-0.25) 26(2.95,0.25) 27(2.95,0.75) 28(2.95,1.25) 29(2.95,1.75) 30(2.95,2.25)
  oval 0.3x0.9 smd: 11(-2.25,-2.95) 12(-1.75,-2.95) 13(-1.25,-2.95) 14(-0.75,-2.95) 15(-0.25,-2.95) 16(0.25,-2.95) 17(0.75,-2.95) 18(1.25,-2.95) 19(1.75,-2.95) 20(2.25,-2.95) 31(2.25,2.95) 32(1.75,2.95) 33(1.25,2.95) 34(0.75,2.95) 35(0.25,2.95) 36(-0.25,2.95) 37(-0.75,2.95) 38(-1.25,2.95) 39(-1.75,2.95) 40(-2.25,2.95)
  rect 4.25x4.25 smd: 41(0,0)
  silkscreen extent -4.13,-3 3,3, body extent -3,-3 3,3, height 0.8
R400X300 [mm] "4mm x  3mm SMD Pad"
  rect 4x3 smd paste-1.5: 1(0,0)
RESC1005X40N [mm] "Chip Resistor, EIA 0402, Metric 1005, Body 1.0x0.5mm, IPC Medium Density"
  rect 0.58x0.62 smd: 1(-0.47,0) 2(0.47,0)
  body extent -0.52,-0.27 0.53,0.28, height 0.4
RESC1608X55N [mm] "Chip Resistor, EIA 0603, Metric 1608, Body 1.6x0.8mm, IPC Medium Density"
  rect 0.9x1 smd: 1(-0.8,0) 2(0.8,0)
  body extent -0.87,-0.47 0.88,0.48, height 0.55
RESC3216X50N [mm] "Chip Resistor, EIA 1206, Metric 3216, Body 3.2x1.6mm, IPC Medium Density"
  rect 1.05x1.75 smd: 1(-1.5,0) 2(1.5,0)
  silkscreen extent -0.6,-0.8 0.6,0.8, body extent -1.67,-0.87 1.68,0.88, height 0.51
RESC5025X65N [mm] "Resistor, Chip; 5mm L X 2.5mm W X 0.65mm H, IPC Medium Density"
  rect 1.15x2.7 smd: 1(-2.35,0) 2(2.35,0)
  silkscreen extent -1.4,-1.25 1.4,1.25, body extent -2.55,-1.32 2.55,1.33, height 0.65
RESC6331X70N [mm] "Chip Resistor, EIA 2512, Metric 6331, 2-Leads, Body 6.3x3.1mm, IPC Medium Density"
  rect 1.05x3.3 smd: 1(-3.1,0) 2(3.1,0)
  silkscreen extent -2.2,-1.65 2.2,1.65, body extent -3.25,-1.65 3.25,1.65, height 0.7
SO-8 [mil]
  oval 80x24 smd: 1(0,0) 2(0,-50) 3(0,-100) 4(0,-150) 5(220,-150) 6(220,-100) 7(220,-50) 8(220,0)
  silkscreen extent 60,-175 160,25, body extent -14,-173 230,24, height 69
SOD2512X110N [mm] "Small Outline Diode (SOD-323), 1.70mm W X 1.25mm L X 1.10mm H body,  IPC Medium Density"
  rect 0.9x0.5 smd: 1(-1.3,0) 2(1.3,0)
  silkscreen extent -1.62,-0.65 0.85,0.88, body extent -1.35,-0.67 1.35,0.68, height 1.1
SODFL1608X70N [mm] "SODFL (SOD-523) Diode; 1.20mm W X 0.80mm L X 0.70mm H Body, IPC Medium Density"
  rect 0.55x0.42 smd: 1(-0.8,0) 2(0.8,0)
  silkscreen extent -1.22,-0.3 0,0.83, body extent -0.8,-0.4 0.8,0.4, height 0.7
SOIC127P600X175-8N [mm] "SOIC 8, Pitch 1.27mm - Body 4x5mm, IPC Medium Density"
  rect 1.55x0.6 smd: 1(-2.7,1.905) 2(-2.7,0.635) 3(-2.7,-0.635) 4(-2.7,-1.905) 5(2.7,-1.905) 6(2.7,-0.635) 7(2.7,0.635) 8(2.7,1.905)
  silkscreen extent -2.52,-2.5 1.55,2.88, body extent -3.1,-2.5 3.1,2.5, height 1.75
SOIC127P600X175-14N [mm] "SOIC 14, Pitch 1.27mm - Body 4x8.75mm, IPC Medium Density"
  rect 1.55x0.6 smd: 1(-2.7,3.81) 2(-2.7,2.54) 3(-2.7,1.27) 4(-2.7,0) 5(-2.7,-1.27) 6(-2.7,-2.54) 7(-2.7,-3.81) 8(2.7,-3.81) 9(2.7,-2.54) 10(2.7,-1.27) 11(2.7,0) 12(2.7,1.27) 13(2.7,2.54) 14(2.7,3.81)
  silkscreen extent -2.52,-4.4 1.55,4.78, body extent -3.1,-4.37 3.1,4.38, height 1.75
SOT65P210X110-5N [mm] "SOT353, SC70-5, SOT, 0.65mm Pitch, 5 Pin, 1.25mm W X 2.00mm L X 1.10mm H, IPC Medium Density"
  rect 0.95x0.4 smd: 1(-1.1,0.65) 2(-1.1,0) 3(-1.1,-0.65) 4(1.1,-0.65) 5(1.1,0.65)
  silkscreen extent -1.42,-1 0.3,1.47, body extent -1.2,-1.1 1.2,1.1, height 1.1
SOT95P240X110-3N [mm] "SOT23 3-Leads, Pitch 0.95mm, Body 1.3x2.9mm, IPC Medium Density"
  rect 1.05x0.65 smd: 1(-1.15,0.95) 2(-1.15,-0.95) 3(1.15,0)
  silkscreen extent -1.52,-1.45 0.3,1.92, body extent -1.25,-1.5 1.25,1.5, height 1.1
SOT95P240X130-3N [mm] "SOT23 3-Leads, Pitch 0.95mm - Body 1.3x2.9mm, IPC Medium Density"
  rect 1.05x0.65 smd: 1(-1.15,0.95) 2(-1.15,-0.95) 3(1.15,0)
  silkscreen extent -1.53,-1.45 0.3,1.92, body extent -1.25,-1.5 1.25,1.5, height 1.3
SOT95P275X110-5N [mm] "SOT, 0.95mm Pitch; 5 Pin, 1.50mm W X 3.00mm L X 1.10mm H Body, IPC Medium Density"
  rect 1.15x0.6 smd: 1(-1.3,0.95) 2(-1.3,0) 3(-1.3,-0.95) 4(1.3,-0.95) 5(1.3,0.95)
  silkscreen extent -1.72,-1.5 0.4,1.87, body extent -1.37,-1.5 1.38,1.5, height 1.1